# Altium PCB OctopusPB_r0101.PcbDoc (part 10 of 11)
Units mm, origin at the board's own origin, x right, y up, seen from the top; angles counter-clockwise.
Board outline 318 x 80 mm, 4 copper layers (Top Layer, Layer 1, Layer 2, Bottom Layer), stack 1.567 mm thick; 1067 components, 459 nets, 3580 pads, 4392 vias.
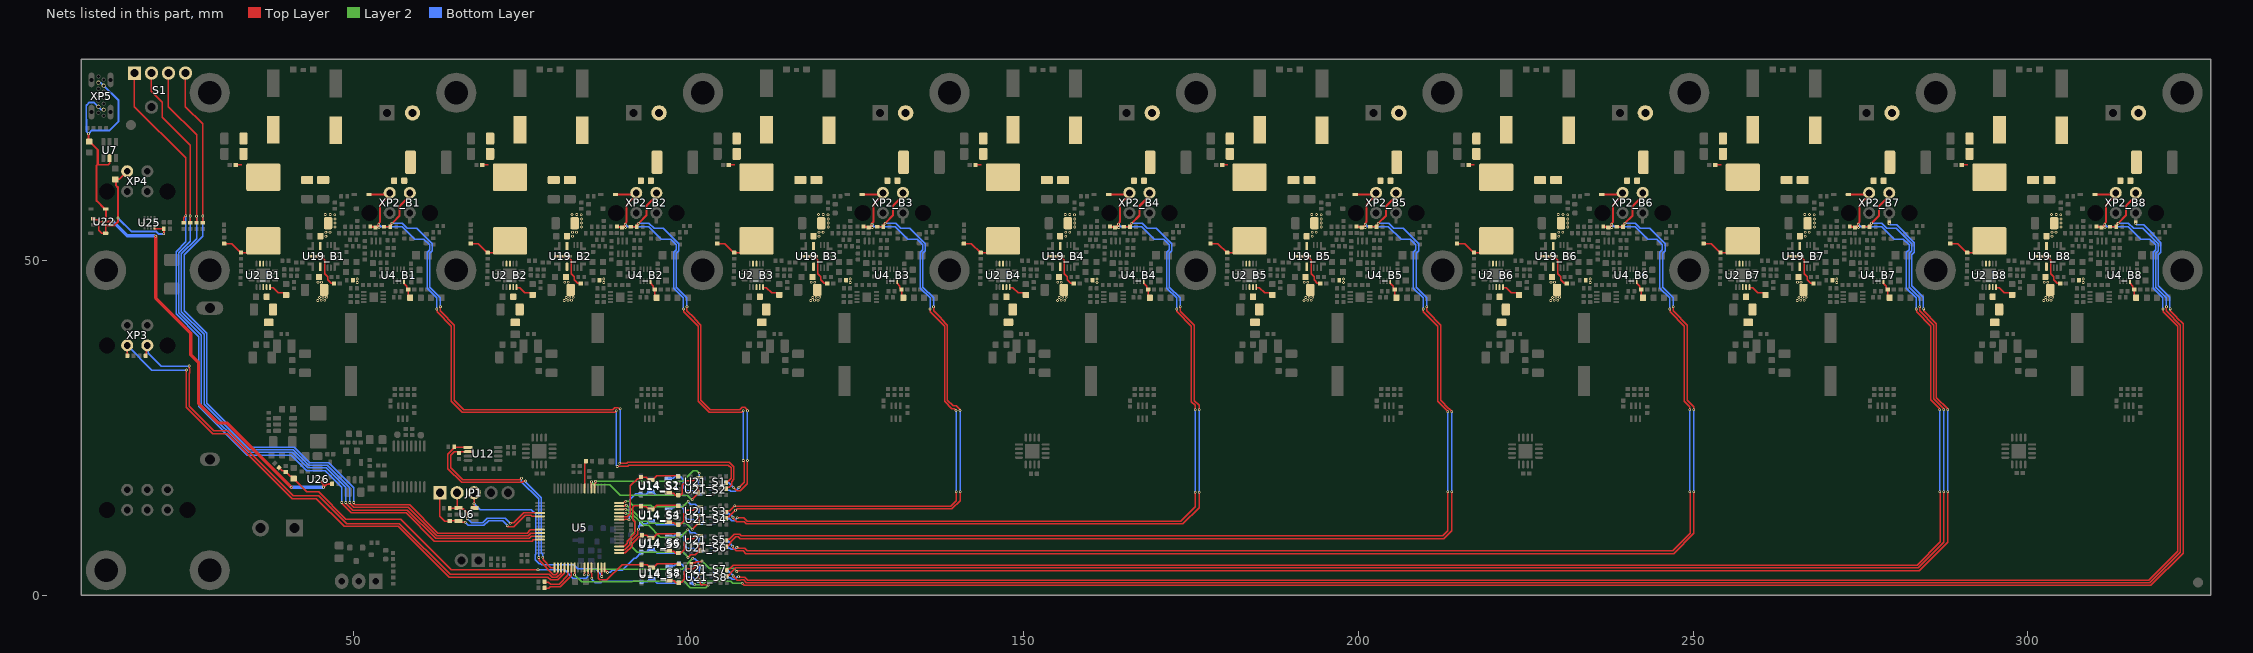
[diagram p12: the nets of this part, all layers, seen from the top]

## Via types
v1: diameter 0.4, hole 0.2, Top Layer to Bottom Layer, tented both sides, 4332 vias
v2: diameter 0.5, hole 0.2, Top Layer to Bottom Layer, tented both sides, 59 vias
v3: diameter 0.4, hole 0.2, Top Layer to Bottom Layer, 1 vias

## Nets (pads, with @x,y where several pads share a name; then routed paths per layer and width w, separated by ;. In a path a pad name is that pad's centre, name@x,y a point inside that pad or via, vN(x,y) a via of type N, cw(c..) or ccw(c..) an arc to the next point about the centre after c; other vN are vias at no path point) (continued)
PGND_ADC7: R53_S7.2 X1_B7.2 | length 242.2
  Top Layer w0.2: R53_S7.2@100.385,4.6 100.385,4.64 100.57,4.825 100.97,4.825 101.12,4.975 101.884,4.975 v1(101.985,5.076) ; v1(107.175,3.5) 107.229,3.5 107.379,3.65 283.8,3.65 288.05,7.9 v1(288.05,15.425) ; v1(284.428,42.727) 284.428,42.438 285.408,41.458 285.408,41.424 286.354,40.477 286.354,29.478 288.05,27.782 v1(288.05,27.675)
  Layer 2 w0.2: 102.158,4.903 103.086,3.975 106.7,3.975 v1(107.175,3.5)
  Bottom Layer w0.2: v1(279.275,55.425) 279.425,55.275 280.45,55.275 281.875,53.85 281.875,53.794 283.052,52.617 283.052,51.22 282.675,50.844 282.675,46.166 284.375,44.466 284.375,42.78 v1(284.428,42.727) ; v1(288.05,15.425) v1(288.05,27.675)
PGND_ADC8: R53_S8.2 X1_B8.2 | length 278.3
  Top Layer w0.2: v1(108,1.75) 108.325,1.425 318.375,1.425 323.179,6.229 323.179,40.477 322.233,41.424 ; v1(321.253,42.727) 321.253,42.438 322.233,41.458
  Layer 2 w0.2: v1@100.999,1.534 102.034,1.534 102.55,2.05 106.3,2.05 106.6,1.75 v1(108,1.75)
  Bottom Layer w0.2: R53_S8.2@100.405,1.885 100.405,1.845 100.716,1.534 v1@100.999,1.534 ; v1(316.1,55.425) 316.25,55.275 317.275,55.275 318.7,53.85 318.7,53.794 319.877,52.617 319.877,51.22 319.5,50.844 319.5,46.166 321.2,44.466 v1@321.2,42.78
  other v1: 100.899,1.609
PH_B1: C71_B1.1 L2_B1.1 R6_B1.1 R7_B1.2 U2_B1.11 U2_B1.12 U19_B1.10 | length 15.1
  Top Layer w0.2: R6_B1.1@30.625,52.495 31.745,52.495 33.11,51.13 R7_B1.2@33.15,51.13 33.157,51.137 34.725,51.137 L2_B1.1@36.477,52.889 ; U19_B1.10@44.35,50.575 44.425,50.5 44.85,50.5 44.875,50.475 45.225,50.475 45.225,50.45 45.65,50.025 ; 45.65,48.1 45.65,50.025 ; C71_B1.1@47.191,46.569 46.605,46.569 46.09,47.084 46.09,47.56 45.65,48 45.65,50.025
PH_B2: C71_B2.1 L2_B2.1 R6_B2.1 R7_B2.2 U2_B2.11 U2_B2.12 U19_B2.10 | length 15.1
  Top Layer w0.2: R6_B2.1@67.45,52.495 68.57,52.495 69.935,51.13 R7_B2.2@69.975,51.13 69.982,51.137 71.55,51.137 L2_B2.1@73.302,52.889 ; U19_B2.10@81.175,50.575 81.25,50.5 81.675,50.5 81.7,50.475 82.05,50.475 82.05,50.45 82.475,50.025 ; 82.475,48.1 82.475,50.025 ; C71_B2.1@84.016,46.569 83.43,46.569 82.915,47.084 82.915,47.56 82.475,48 82.475,50.025
PH_B3: C71_B3.1 L2_B3.1 R6_B3.1 R7_B3.2 U2_B3.11 U2_B3.12 U19_B3.10 | length 15.1
  Top Layer w0.2: R6_B3.1@104.275,52.495 105.395,52.495 106.76,51.13 R7_B3.2@106.8,51.13 106.807,51.137 108.375,51.137 L2_B3.1@110.127,52.889 ; U19_B3.10@118,50.575 118.075,50.5 118.5,50.5 118.525,50.475 118.875,50.475 118.875,50.45 119.3,50.025 ; 119.3,48.1 119.3,50.025 ; C71_B3.1@120.841,46.569 120.255,46.569 119.74,47.084 119.74,47.56 119.3,48 119.3,50.025
PH_B4: C71_B4.1 L2_B4.1 R6_B4.1 R7_B4.2 U2_B4.11 U2_B4.12 U19_B4.10 | length 15.1
  Top Layer w0.2: R6_B4.1@141.1,52.495 142.22,52.495 143.585,51.13 R7_B4.2@143.625,51.13 143.632,51.137 145.2,51.137 L2_B4.1@146.952,52.889 ; U19_B4.10@154.825,50.575 154.9,50.5 155.325,50.5 155.35,50.475 155.7,50.475 155.7,50.45 156.125,50.025 ; 156.125,48.1 156.125,50.025 ; C71_B4.1@157.666,46.569 157.08,46.569 156.565,47.084 156.565,47.56 156.125,48 156.125,50.025
PH_B5: C71_B5.1 L2_B5.1 R6_B5.1 R7_B5.2 U2_B5.11 U2_B5.12 U19_B5.10 | length 15.1
  Top Layer w0.2: R6_B5.1@177.925,52.495 179.045,52.495 180.41,51.13 R7_B5.2@180.45,51.13 180.457,51.137 182.025,51.137 L2_B5.1@183.777,52.889 ; U19_B5.10@191.65,50.575 191.725,50.5 192.15,50.5 192.175,50.475 192.525,50.475 192.525,50.45 192.95,50.025 ; 192.95,48.1 192.95,50.025 ; C71_B5.1@194.491,46.569 193.905,46.569 193.39,47.084 193.39,47.56 192.95,48 192.95,50.025
PH_B6: C71_B6.1 L2_B6.1 R6_B6.1 R7_B6.2 U2_B6.11 U2_B6.12 U19_B6.10 | length 15.1
  Top Layer w0.2: R6_B6.1@214.75,52.495 215.87,52.495 217.235,51.13 R7_B6.2@217.275,51.13 217.282,51.137 218.85,51.137 L2_B6.1@220.602,52.889 ; U19_B6.10@228.475,50.575 228.55,50.5 228.975,50.5 229,50.475 229.35,50.475 229.35,50.45 229.775,50.025 ; 229.775,48.1 229.775,50.025 ; C71_B6.1@231.316,46.569 230.73,46.569 230.215,47.084 230.215,47.56 229.775,48 229.775,50.025
PH_B7: C71_B7.1 L2_B7.1 R6_B7.1 R7_B7.2 U2_B7.11 U2_B7.12 U19_B7.10 | length 12.6
  Top Layer w0.2: R6_B7.1@251.575,52.495 252.695,52.495 254.06,51.13 R7_B7.2@254.1,51.13 254.107,51.137 L2_B7.1@255.675,51.137 ; U19_B7.10@265.3,50.575 265.375,50.5 265.8,50.5 265.825,50.475 266.175,50.475 266.175,50.45 266.6,50.025 ; 266.6,48.1 266.6,50.025 ; C71_B7.1@268.141,46.569 267.555,46.569 267.04,47.084 267.04,47.56 266.6,48 266.6,50.025
PH_B8: C71_B8.1 L2_B8.1 R6_B8.1 R7_B8.2 U2_B8.11 U2_B8.12 U19_B8.10 | length 12.6
  Top Layer w0.2: R6_B8.1@288.4,52.495 289.52,52.495 290.885,51.13 R7_B8.2@290.925,51.13 290.932,51.137 L2_B8.1@292.5,51.137 ; U19_B8.10@302.125,50.575 302.2,50.5 302.625,50.5 302.65,50.475 303,50.475 303,50.45 303.425,50.025 ; 303.425,48.1 303.425,50.025 ; C71_B8.1@304.966,46.569 304.38,46.569 303.865,47.084 303.865,47.56 303.425,48 303.425,50.025
PVIN_B1: C7_B1.1 C11_B1.1 C29_B1.1 C30_B1.1 C67_B1.1 C68_B1.1 C69_B1.1 FB1_B1.2 U2_B1.4 U2_B1.5 U2_B1.6 U19_B1.8 U19_B1.12 | length 3.2
  Top Layer w0.2: U2_B1.6@37.474,45.977 37.474,45.937 37.511,45.9 37.95,45.9 38.725,45.125 39.552,45.125 39.963,44.714 C67_B1.1@40.102,44.714
  other v1: 44.6,43.975 45.15,44 45.675,44.025 44.875,44.425 45.4,44.45 45.925,44.45 44.65,46.7 45.175,46.7 45.825,53.6 45.825,54.2 46.425,54.2 47.175,54.95 47.175,55.55 47.175,56.15 47.15,56.8 45.75,56.825 46.45,56.825
PVIN_B2: C7_B2.1 C11_B2.1 C29_B2.1 C30_B2.1 C67_B2.1 C68_B2.1 C69_B2.1 FB1_B2.2 U2_B2.4 U2_B2.5 U2_B2.6 U19_B2.8 U19_B2.12 | length 3.2
  Top Layer w0.2: U2_B2.6@74.299,45.977 74.299,45.937 74.336,45.9 74.775,45.9 75.55,45.125 76.377,45.125 76.788,44.714 C67_B2.1@76.927,44.714
  other v1: 81.425,43.975 81.975,44 82.5,44.025 81.7,44.425 82.225,44.45 82.75,44.45 81.475,46.7 82,46.7 82.65,53.6 82.65,54.2 83.25,54.2 84,54.95 84,55.55 84,56.15 83.975,56.8 82.575,56.825 83.275,56.825
PVIN_B3: C7_B3.1 C11_B3.1 C29_B3.1 C30_B3.1 C67_B3.1 C68_B3.1 C69_B3.1 FB1_B3.2 U2_B3.4 U2_B3.5 U2_B3.6 U19_B3.8 U19_B3.12 | length 3.2
  Top Layer w0.2: U2_B3.6@111.124,45.977 111.124,45.937 111.161,45.9 111.6,45.9 112.375,45.125 113.202,45.125 113.613,44.714 C67_B3.1@113.752,44.714
  other v1: 118.25,43.975 118.8,44 119.325,44.025 118.525,44.425 119.05,44.45 119.575,44.45 118.3,46.7 118.825,46.7 119.475,53.6 119.475,54.2 120.075,54.2 120.825,54.95 120.825,55.55 120.825,56.15 120.8,56.8 119.4,56.825 120.1,56.825
PVIN_B4: C7_B4.1 C11_B4.1 C29_B4.1 C30_B4.1 C67_B4.1 C68_B4.1 C69_B4.1 FB1_B4.2 U2_B4.4 U2_B4.5 U2_B4.6 U19_B4.8 U19_B4.12 | length 3.2
  Top Layer w0.2: U2_B4.6@147.949,45.977 147.949,45.937 147.986,45.9 148.425,45.9 149.2,45.125 150.027,45.125 150.438,44.714 C67_B4.1@150.577,44.714
  other v1: 155.075,43.975 155.625,44 156.15,44.025 155.35,44.425 155.875,44.45 156.4,44.45 155.125,46.7 155.65,46.7 156.3,53.6 156.3,54.2 156.9,54.2 157.65,54.95 157.65,55.55 157.65,56.15 157.625,56.8 156.225,56.825 156.925,56.825
PVIN_B5: C7_B5.1 C11_B5.1 C29_B5.1 C30_B5.1 C67_B5.1 C68_B5.1 C69_B5.1 FB1_B5.2 U2_B5.4 U2_B5.5 U2_B5.6 U19_B5.8 U19_B5.12 | length 3.2
  Top Layer w0.2: U2_B5.6@184.774,45.977 184.774,45.937 184.811,45.9 185.25,45.9 186.025,45.125 186.852,45.125 187.263,44.714 C67_B5.1@187.402,44.714
  other v1: 191.9,43.975 192.45,44 192.975,44.025 192.175,44.425 192.7,44.45 193.225,44.45 191.95,46.7 192.475,46.7 193.125,53.6 193.125,54.2 193.725,54.2 194.475,54.95 194.475,55.55 194.475,56.15 194.45,56.8 193.05,56.825 193.75,56.825
PVIN_B6: C7_B6.1 C11_B6.1 C29_B6.1 C30_B6.1 C67_B6.1 C68_B6.1 C69_B6.1 FB1_B6.2 U2_B6.4 U2_B6.5 U2_B6.6 U19_B6.8 U19_B6.12 | length 3.2
  Top Layer w0.2: U2_B6.6@221.599,45.977 221.599,45.937 221.636,45.9 222.075,45.9 222.85,45.125 223.677,45.125 224.088,44.714 C67_B6.1@224.227,44.714
  other v1: 228.725,43.975 229.275,44 229.8,44.025 229,44.425 229.525,44.45 230.05,44.45 228.775,46.7 229.3,46.7 229.95,53.6 229.95,54.2 230.55,54.2 231.3,54.95 231.3,55.55 231.3,56.15 231.275,56.8 229.875,56.825 230.575,56.825
PVIN_B7: C7_B7.1 C11_B7.1 C29_B7.1 C30_B7.1 C67_B7.1 C68_B7.1 C69_B7.1 FB1_B7.2 U2_B7.4 U2_B7.5 U2_B7.6 U19_B7.8 U19_B7.12 | length 3.2
  Top Layer w0.2: U2_B7.6@258.424,45.977 258.424,45.937 258.461,45.9 258.9,45.9 259.675,45.125 260.502,45.125 260.913,44.714 C67_B7.1@261.052,44.714
  other v1: 265.55,43.975 266.1,44 266.625,44.025 265.825,44.425 266.35,44.45 266.875,44.45 265.6,46.7 266.125,46.7 266.775,53.6 266.775,54.2 267.375,54.2 268.125,54.95 268.125,55.55 268.125,56.15 268.1,56.8 266.7,56.825 267.4,56.825
PVIN_B8: C7_B8.1 C11_B8.1 C29_B8.1 C30_B8.1 C67_B8.1 C68_B8.1 C69_B8.1 FB1_B8.2 U2_B8.4 U2_B8.5 U2_B8.6 U19_B8.8 U19_B8.12 | length 3.2
  Top Layer w0.2: U2_B8.6@295.249,45.977 295.249,45.937 295.286,45.9 295.725,45.9 296.5,45.125 297.327,45.125 297.738,44.714 C67_B8.1@297.877,44.714
  other v1: 302.375,43.975 302.925,44 303.45,44.025 302.65,44.425 303.175,44.45 303.7,44.45 302.425,46.7 302.95,46.7 303.6,53.6 303.6,54.2 304.2,54.2 304.95,54.95 304.95,55.55 304.95,56.15 304.925,56.8 303.525,56.825 304.225,56.825
PWR_IN_SNS: C75.1 R82.2 R86.2 U5.11 | length 54.3
  Top Layer w0.2: R82.2@38.822,19.028 39.295,18.555 39.64,18.555 R86.2@39.825,18.37 39.865,18.37 40.485,17.75 40.65,17.75 C75.1@41,17.4 42.975,15.425 44.723,15.425 48.823,11.325 57.025,11.325 64.575,3.775 v1(77.5,3.775) ; v1@84.972,3.201 84.972,4.09 U5.11@84.991,4.109
  Layer 2 w0.2: v1(85,3.025) v1@85.038,3.063
  Bottom Layer w0.2: v1(77.5,3.775) 77.538,3.737 81.463,3.737 82.7,2.5 84.696,2.5 84.962,2.766 84.962,2.986 v1(85,3.025)
RSW1: R106.1 S1.1 U5.60 | length 116.9
  Top Layer w0.2: S1.1@17.235,77.95 17.235,72.95 24.9,65.285 v1(24.9,56.625) 24.625,56.35 24.625,55.61 R106.1@24.6,55.585 ; v1(48.202,13.826) 48.202,13.719 49.646,12.275 57.822,12.275 62.038,8.059 76.609,8.059 76.809,8.259 U5.60@77.816,8.259
  Bottom Layer w0.2: v1(24.9,56.625) 24.9,52.751 23.45,51.301 23.45,41.978 26.825,38.603 26.825,28.178 34.103,20.9 40.621,20.9 42.946,18.575 45.728,18.575 48.202,16.1 v1(48.202,13.826)
RSW2: R107.1 S1.2 U5.59 | length 115.4
  Top Layer w0.2: S1.2@19.775,77.95 19.775,75.225 21.4,73.6 21.4,71.325 25.55,67.175 v1(25.55,56.6) R107.1@25.55,55.585 ; v1(48.802,13.826) 48.802,13.716 49.844,12.675 57.987,12.675 62.203,8.459 76.194,8.459 76.494,8.759 U5.59@77.816,8.759
  Bottom Layer w0.2: v1(25.55,56.6) 25.55,52.835 23.85,51.135 23.85,42.144 27.225,38.769 27.225,28.344 34.269,21.3 40.787,21.3 43.112,18.975 45.894,18.975 48.802,16.066 v1(48.802,13.826)
RSW3: R108.1 S1.4 U5.58 | length 114.4
  Top Layer w0.2: S1.4@22.315,77.95 22.315,72.95 26.5,68.765 v1(26.5,56.575) R108.1@26.5,55.585 ; v1(49.402,13.826) 49.402,13.682 50.009,13.075 58.153,13.075 62.369,8.859 76.028,8.859 76.428,9.259 U5.58@77.816,9.259
  Bottom Layer w0.2: v1(26.5,56.575) 26.5,53.22 24.25,50.97 24.25,42.309 27.625,38.934 27.625,28.509 34.434,21.7 40.952,21.7 43.277,19.375 46.059,19.375 49.402,16.032 v1(49.402,13.826)
RSW4: R109.1 S1.8 U5.57 | length 113.3
  Top Layer w0.2: S1.8@24.855,77.95 24.855,72.95 27.425,70.38 v1(27.425,56.6) R109.1@27.425,55.585 ; v1(50.002,13.826) 50.002,13.648 50.175,13.475 58.319,13.475 62.535,9.259 75.862,9.259 76.362,9.759 U5.57@77.816,9.759
  Bottom Layer w0.2: v1(27.425,56.6) 27.425,53.579 24.65,50.804 24.65,42.475 28.025,39.1 28.025,28.675 34.6,22.1 41.118,22.1 43.443,19.775 46.225,19.775 50.002,15.998 v1(50.002,13.826)
SCL_INT: R50.1 U5.1 U12.1 | length 33.7
  Top Layer w0.2: U12.1@67.05,22.05 65.084,22.05 64.05,21.016 64.05,18.859 66.084,16.825 75.135,16.825 75.297,16.987 75.587,16.987 v1(75.625,17.025) ; v1(78.225,5.625) 78.25,5.6 78.25,5.25 79.391,4.109 U5.1@79.966,4.109 U5.1@79.966,3.509
  Bottom Layer w0.2: v1(75.625,17.025) 75.63,17.02 75.63,16.879 78,14.509 78,6.325 78.225,6.1 v1(78.225,5.625)
SCL_METER: R27.1 U5.3 XP3.4 | length 83.3
  Top Layer w0.2: R27.1@18.905,35.685 R27.1@18.905,35.725 19.028,35.847 19.028,37.162 XP3.4@19.15,37.285 XP3.4@19.05,37.285 ; v1(25.4,34.2) 25.438,34.162 25.438,33.869 25.5,33.807 25.5,33.2 25.4,33.1 25.4,28.2 29.1,24.5 31.266,24.5 40.966,14.8 44.783,14.8 48.908,10.675 56.8,10.675 64.395,3.08 79.18,3.08 79.6,2.659 80.318,2.659 80.947,3.288 80.947,4.09 U5.3@80.966,4.109
  Bottom Layer w0.2: XP3.4@19.15,37.285 19.315,37.12 19.315,36.085 21.2,34.2 v1(25.4,34.2) v1@25.438,34.162
SDA_INT: R51.1 U5.2 U12.2 | length 34
  Top Layer w0.2: U12.2@67.05,21.4 65,21.4 64.45,20.85 64.45,19.025 66.25,17.225 74.774,17.225 74.975,17.426 v1(75.029,17.426) ; v1(77.6,5.6) 77.65,5.55 77.65,5.175 79.766,3.059 80.152,3.059 80.447,3.354 80.447,4.09 U5.2@80.466,4.109
  Bottom Layer w0.2: v1(75.029,17.426) 75.029,16.914 77.6,14.343 v1(77.6,5.6)
SDA_METER: R28.1 U5.4 XP3.3 | length 86
  Top Layer w0.2: XP3.3@16.15,37.285 16.15,35.78 R28.1@16.225,35.705 ; v1(25,33.6) 25,28.034 28.934,24.1 31.1,24.1 40.8,14.4 44.41,14.4 48.54,10.27 56.632,10.27 64.228,2.675 78.975,2.675 79.391,2.259 80.484,2.259 81.447,3.222 81.447,4.09 U5.4@81.466,4.109
  Bottom Layer w0.2: XP3.3@16.15,37.285 19.835,33.6 v1(25,33.6)
STS_LED: R34.1 U5.39 | length 4.2
  Top Layer w0.2: U5.39@84.466,15.909 84.485,15.928 84.485,19.815 R34.1@84.67,20
SWCLK: JP1.2 R32.1 U5.52 U6.1 | length 18.7
  Top Layer w0.2: R32.1@64.33,12.95 65.6,12.95 65.41,13.14 JP1.2@65.41,15.275 ; U6.1@65.625,12.975 65.925,12.975 66.025,12.875 66.35,12.875 66.925,12.3 v1(66.925,11.425) ; v1(73.35,10.725) 73.404,10.725 73.479,10.8 73.875,10.8 75.395,12.32 76.614,12.32 76.675,12.259 U5.52@77.816,12.259
  Bottom Layer w0.2: v1(66.925,11.425) 67.437,10.913 ; 67.45,10.925 67.562,10.813 69.245,10.813 69.307,10.875 69.325,10.875 69.95,11.5 72.6,11.5 73.35,10.75 v1(73.35,10.725) ; v1@73.196,10.825 v1@73.296,10.725
SWDIO: JP1.1 R31.1 U5.53 U6.3 | length 20.6
  Top Layer w0.2: JP1.1@62.87,15.275 62.835,15.24 62.835,11.765 63.555,11.045 R31.1@64.325,11.045 64.34,11.06 65.61,11.06 U6.3@65.625,11.075 65.925,11.075 66.112,10.888 66.587,10.888 v1(66.625,10.85) ; v1(72.9,10.325) 72.9,10.292 73.017,10.175 73.841,10.175 75.586,11.92 76.448,11.92 76.609,11.759 U5.53@77.816,11.759
  Bottom Layer w0.2: v1(66.625,10.85) 67.062,10.413 69.428,10.413 70.116,11.1 72.268,11.1 v1@72.934,10.434 ; v1@72.862,10.363 v1(72.9,10.325)
SWO: JP1.3 U5.15 U6.6 | length 31.5
  Top Layer w0.2: JP1.3@67.95,15.275 v1(67.95,13.65) 67.95,13.05 U6.6@68.025,12.975 ; U5.15@86.983,4.101 86.983,2.822 v1(87.029,2.775)
  Bottom Layer w0.2: v1(67.95,13.65) 68.85,12.75 76.525,12.75 77.144,12.131 77.144,6.052 77.1,6.008 77.1,5.275 77.7,4.675 77.873,4.675 78.011,4.537 82.816,4.537 83.427,3.925 86.1,3.925 86.961,3.064 86.961,2.843 v1(87.029,2.775)
USB_D+: R38.1 U5.5 | length 5.4
  Top Layer w0.2: R38.1@78.48,2.15 78.48,2.12 78.665,1.935 79.065,1.935 79.375,1.625 80.659,1.625 81.966,2.932 U5.5@81.966,4.109
USB_D-: R41.1 U5.6 | length 6
  Top Layer w0.2: R41.1@78.48,1.075 78.555,1 79.1,1 79.325,1.225 80.825,1.225 82.449,2.849 82.449,4.092 U5.6@82.466,4.109
VBUS_CUSB: C36.1 D3.2 U7.5 U22.A2 XP5.A4 XP5.A9 XP5.B4 XP5.B9 | length 39.5
  Top Layer w0.2: 11.595,64.17 11.7,64.275 13.325,64.275 13.525,64.475 U7.5@13.525,65.25 U7.5@13.525,65.55 ; 11.6,59 11.6,61.425 ; D3.2@12.809,57.65 D3.2@12.945,57.65
  Top Layer w0.3: v1(10.375,68.9) 10.394,68.881 10.394,67.806 C36.1@10.5,67.7 10.525,67.7 11.75,66.475 11.75,64.325 11.7,64.275 ; 11.595,64.17 11.595,58.85 12.795,57.65 D3.2@12.809,57.65 ; D3.2@12.945,57.65 12.975,57.62 U22.A2@12.975,56.275
  Bottom Layer w0.2: 10.077,73.173 10.05,73.146 10.05,71.075 10.1,71.025 ; XP5.B9@11.85,76.525 11.876,76.499 12.206,76.499 XP5.A4@12.63,76.075 ; XP5.B4@11.952,72.925 XP5.B4@11.85,72.925 12.274,72.501 12.604,72.501 XP5.A9@12.63,72.475
  Bottom Layer w0.3: 10.077,73.173 10.479,73.575 11.181,73.575 11.831,72.925 XP5.B4@11.85,72.925 ; 10.1,71.025 10.1,69.202 10.375,68.927 v1(10.375,68.9) 10.875,69.4 13.525,69.4 14.87,70.745 14.87,73.854 12.649,76.075 XP5.A4@12.63,76.075
VBUS_METER: C56.1 D6.2 R17.2 R40.2 U22.B1 U22.C2 U25.9 XP4.1 | length 26.5
  Top Layer w0.2: R40.2@11.1,56.205 11.239,56.066 11.725,56.066 11.87,55.92 ; U22.B1@12.475,55.775 12.016,55.775 11.87,55.92 ; U22.C2@12.975,55.275 12.965,55.265 12.965,54.065 D6.2@12.925,54.025 12.35,54.025 11.87,54.505 11.87,55.92 ; U25.9@20.2,54.9 20.2,54.75 20.25,54.7 R17.2@21.62,54.7
  Top Layer w0.3: U22.C2@12.975,55.275 13.056,55.194 14.244,55.194 14.775,55.725 v1(14.775,56.3) 14.775,60.859 14.459,61.175 14.459,61.991 C56.1@14.375,62.075 14.45,62.15 15.015,62.15 XP4.1@16.15,63.285 ; R17.2@21.62,54.7 21.622,54.697 v1@21.622,53.947
  Bottom Layer w0.3: v1(14.775,56.3) 16.8,54.275 20.503,54.275 20.828,53.95 v1(21.625,53.95)
VFBSW1: R61_S1.1 U5.37 U21_S1.6 | length 19.7
  Top Layer w0.2: U5.37@85.466,15.909 85.473,15.916 85.473,16.894 v1(85.479,16.901) ; v1(100.542,14.224) 100.542,14.317 101.445,15.22 R61_S1.1@101.445,15.26 101.445,16.21 101.52,16.285 U21_S1.6@101.613,16.285
  Layer 2 w0.2: v1@85.55,16.875 85.544,16.869 85.544,16.835 85.93,16.45 88.225,16.45 89.775,14.9 99.812,14.9 100.488,14.224 v1(100.542,14.224)
VFBSW2: R61_S2.1 U5.36 U21_S2.6 | length 19.5
  Top Layer w0.2: U5.36@85.966,15.909 85.95,15.925 85.95,16.629 86.099,16.779 v1(86.099,17.013)
  Layer 2 w0.2: v1(86.099,17.013) 99.12,17.013 100.656,18.549 101.217,18.549 v1(101.592,18.174)
  Bottom Layer w0.2: U21_S2.6@101.565,16.373 101.473,16.373 101.398,16.448 R61_S2.1@101.398,17.398 101.583,17.583 101.583,18.165 v1(101.592,18.174)
VFBSW3: R61_S3.1 U5.31 U21_S3.6 | length 15
  Top Layer w0.2: U5.31@89.616,13.259 89.635,13.278 90.372,13.278 90.494,13.401 v1(90.69,13.401) ; v1(100.555,9.825) 100.555,9.845 101.47,10.76 R61_S3.1@101.47,10.8 101.47,11.815 101.545,11.89 U21_S3.6@101.613,11.89
  Layer 2 w0.2: v1(90.69,13.401) 90.744,13.401 90.983,13.162 91.069,13.162 93.181,11.051 93.922,11.051 94.248,10.725 99.625,10.725 100.525,9.825 v1(100.555,9.825)
VFBSW4: R61_S4.1 U5.32 U21_S4.6 | length 14.5
  Top Layer w0.2: U5.32@89.575,13.8 U5.32@89.616,13.759 90.243,13.759 90.446,13.962 90.566,13.962 v1(90.604,14.001)
  Layer 2 w0.2: v1@90.604,14.104 v1(90.604,14.001) 90.617,13.988 91.104,13.988 91.669,13.424 94.344,13.424 94.568,13.2 99.104,13.2 v1(99.93,14.026)
  Bottom Layer w0.2: v1(99.93,14.026) 99.93,13.984 99.895,13.95 100.29,13.555 100.955,13.555 101.47,13.04 R61_S4.1@101.47,13 101.47,12.035 101.545,11.96 U21_S4.6@101.638,11.96
VFBSW5: R61_S5.1 U5.29 U21_S5.6 | length 19.3
  Top Layer w0.2: U5.29@89.616,12.259 89.635,12.24 90.532,12.24 90.572,12.201 v1(90.626,12.201) ; v1(99.905,5.613) 100.312,6.02 101.005,6.02 101.52,6.535 101.52,7.54 101.595,7.615 U21_S5.6@101.662,7.615
  Layer 2 w0.2: v1@90.575,12.15 90.95,12.15 91.975,11.125 91.975,9.475 91.425,8.925 91.425,7.25 92.325,6.35 99.168,6.35 v1(99.905,5.613)
VFBSW6: R61_S6.1 U5.30 U21_S6.6 | length 15.7
  Top Layer w0.2: U5.30@89.616,12.759 89.635,12.778 90.582,12.778 v1(90.604,12.801)
  Layer 2 w0.2: v1(90.604,12.801) 90.643,12.762 90.903,12.762 93.266,10.4 94.007,10.4 95.781,8.626 98.749,8.626 v1(99.883,9.76)
  Bottom Layer w0.2: v1(99.883,9.76) 99.913,9.76 100.348,9.325 100.897,9.325 101.248,8.975 101.315,8.975 101.5,8.79 R61_S6.1@101.5,8.75 101.5,7.8 101.575,7.725 U21_S6.6@101.667,7.725
VFBSW7: R61_S7.1 U5.7 U21_S7.6 | length 25.1
  Top Layer w0.2: v1@82.949,3.084 82.975,3.11 82.975,4.1 U5.7@82.966,4.109 ; U21_S7.6@101.692,3.2 101.6,3.2 101.525,3.125 101.525,2.175 101.7,2 101.7,1.667 101.867,1.501 v1(102.91,1.501)
  Layer 2 w0.2: v1(82.949,3.034) 84.033,1.95 91.607,1.95 91.732,2.076 99.307,2.076 100.273,1.109 102.519,1.109 v1(102.91,1.501)
VFBSW8: R61_S8.1 U5.10 U21_S8.6 | length 21.4
  Top Layer w0.2: v1@84.374,3.05 84.374,3.256 84.441,3.323 84.472,3.354 84.472,4.09 U5.10@84.491,4.109
  Layer 2 w0.2: v1(84.4,3.025) 84.425,3.05 84.425,3.4 84.889,3.864 99.014,3.864 v1(100.625,5.475)
  Bottom Layer w0.2: v1(100.625,5.475) 100.663,5.437 100.913,5.437 101.415,4.935 101.415,4.44 R61_S8.1@101.545,4.31 101.545,3.36 101.62,3.285 U21_S8.6@101.712,3.285
VOUT1: C13_B1.1 C14_B1.1 C15_B1.1 C16_B1.1 C17_B1.1 C18_B1.1 C19_B1.1 D5_B1.1 FB2_B1.1 L2_B1.2 R12_B1.2 R60_S1.1 R63_B1.2 R83_B1.2 XP2_B1.1 | length 98.8
  Top Layer w0.2: C14_B1.1@32.365,64.225 33.225,64.225 ; R12_B1.2@53.25,54.925 53.285,54.89 53.735,54.89 v1(53.75,54.875) 53.75,54.88 R12_B1.2@53.528,55.103 ; v1(62.4,42.725) 62.438,42.687 62.438,42.312 64.575,40.175 64.575,28.925 66.2,27.3 89,27.3 v1(89.2,27.5) ; v1(89.35,19.2) 89.8,19.2 ; 89.8,19.201 90.867,19.201 91.066,19.4 105.9,19.4 106.325,18.975 106.325,17.428 105.9,17.003 R60_S1.1@105.723,17.003
  Top Layer w0.3: D5_B1.1@52.25,59.825 55.115,59.825 XP2_B1.1@55.35,60.06 55.35,59.7 53.925,58.275 53.925,55.715 53.725,55.515 v1(53.725,55.35) 53.725,55.3 R12_B1.2@53.528,55.103 ; R63_B1.2@52.48,55.025 52.58,54.925 R12_B1.2@53.25,54.925 ; R63_B1.2@52.5,55.025 R63_B1.2@52.615,55.14
  Bottom Layer w0.2: v1(53.725,55.35) 53.741,55.35 54.087,55.005 57.205,55.005 59.084,53.125 60.463,53.125 61.301,52.286 61.301,51.551 60.925,51.175 60.925,45.834 62.4,44.359 v1(62.4,42.725) ; v1(89.2,27.5) 89.2,19.35 v1(89.35,19.2)
  other v1: 50.5,46.675 50.5,47.2
VOUT2: C13_B2.1 C14_B2.1 C15_B2.1 C16_B2.1 C17_B2.1 C18_B2.1 C19_B2.1 D5_B2.1 FB2_B2.1 L2_B2.2 R12_B2.2 R60_S2.1 R63_B2.2 R83_B2.2 XP2_B2.1 | length 67.2
  Top Layer w0.2: C14_B2.1@69.19,64.225 70.05,64.225 ; R12_B2.2@90.075,54.925 90.11,54.89 90.56,54.89 v1(90.575,54.875) 90.575,54.88 R12_B2.2@90.353,55.103 ; v1(99.225,42.725) 99.263,42.687 99.263,42.312 101.4,40.175 101.4,28.944 103.044,27.3 107.95,27.3 v1(108.175,27.525) ; v1(107.525,16.1) 108.275,16.85 108.275,20 v1(108.175,20.1)
  Top Layer w0.3: D5_B2.1@89.075,59.825 91.94,59.825 XP2_B2.1@92.175,60.06 92.175,59.7 90.75,58.275 90.75,55.715 90.55,55.515 v1(90.55,55.35) 90.55,55.3 R12_B2.2@90.353,55.103 ; R63_B2.2@89.305,55.025 89.405,54.925 R12_B2.2@90.075,54.925 ; R63_B2.2@89.325,55.025 R63_B2.2@89.44,55.14
  Bottom Layer w0.2: v1(90.55,55.35) 90.566,55.35 90.912,55.005 94.03,55.005 95.909,53.125 97.288,53.125 98.126,52.286 98.126,51.551 97.75,51.175 97.75,45.834 99.225,44.359 v1(99.225,42.725) ; R60_S2.1@105.558,15.873 105.558,15.836 105.743,15.651 106.143,15.651 106.291,15.503 106.96,15.503 107.525,16.068 v1(107.525,16.1) ; v1(108.175,20.1) v1(108.175,27.525)
  other v1: 87.325,46.675 87.325,47.2
VOUT3: C13_B3.1 C14_B3.1 C15_B3.1 C16_B3.1 C17_B3.1 C18_B3.1 C19_B3.1 D5_B3.1 FB2_B3.1 L2_B3.2 R12_B3.2 R60_S3.1 R63_B3.2 R83_B3.2 XP2_B3.1 | length 96.3
  Top Layer w0.2: R60_S3.1@105.605,12.39 105.605,12.405 105.79,12.59 106.165,12.59 v1(106.9,13.325) 106.975,13.25 139.119,13.25 139.925,14.056 v1@139.925,15.425 ; C14_B3.1@106.015,64.225 106.875,64.225 ; R12_B3.2@126.9,54.925 126.935,54.89 127.385,54.89 v1(127.4,54.875) 127.4,54.88 R12_B3.2@127.178,55.103 ; v1(136.05,42.725) 136.088,42.687 136.088,42.312 138.225,40.175 138.225,28.925 139.325,27.825 139.65,27.825 v1(139.925,27.55)